# Altium PCB V3(B0317).PcbDoc (part 1 of 2)
Units mil, origin at the board's own origin, x right, y up, seen from the top; angles counter-clockwise.
Board outline 3937.01 x 3937.01 mil, 2 copper layers (Top Layer, Bottom Layer); 151 components, 137 nets, 561 pads, 319 vias.
Unrouted connection lines stored in the file: 1.
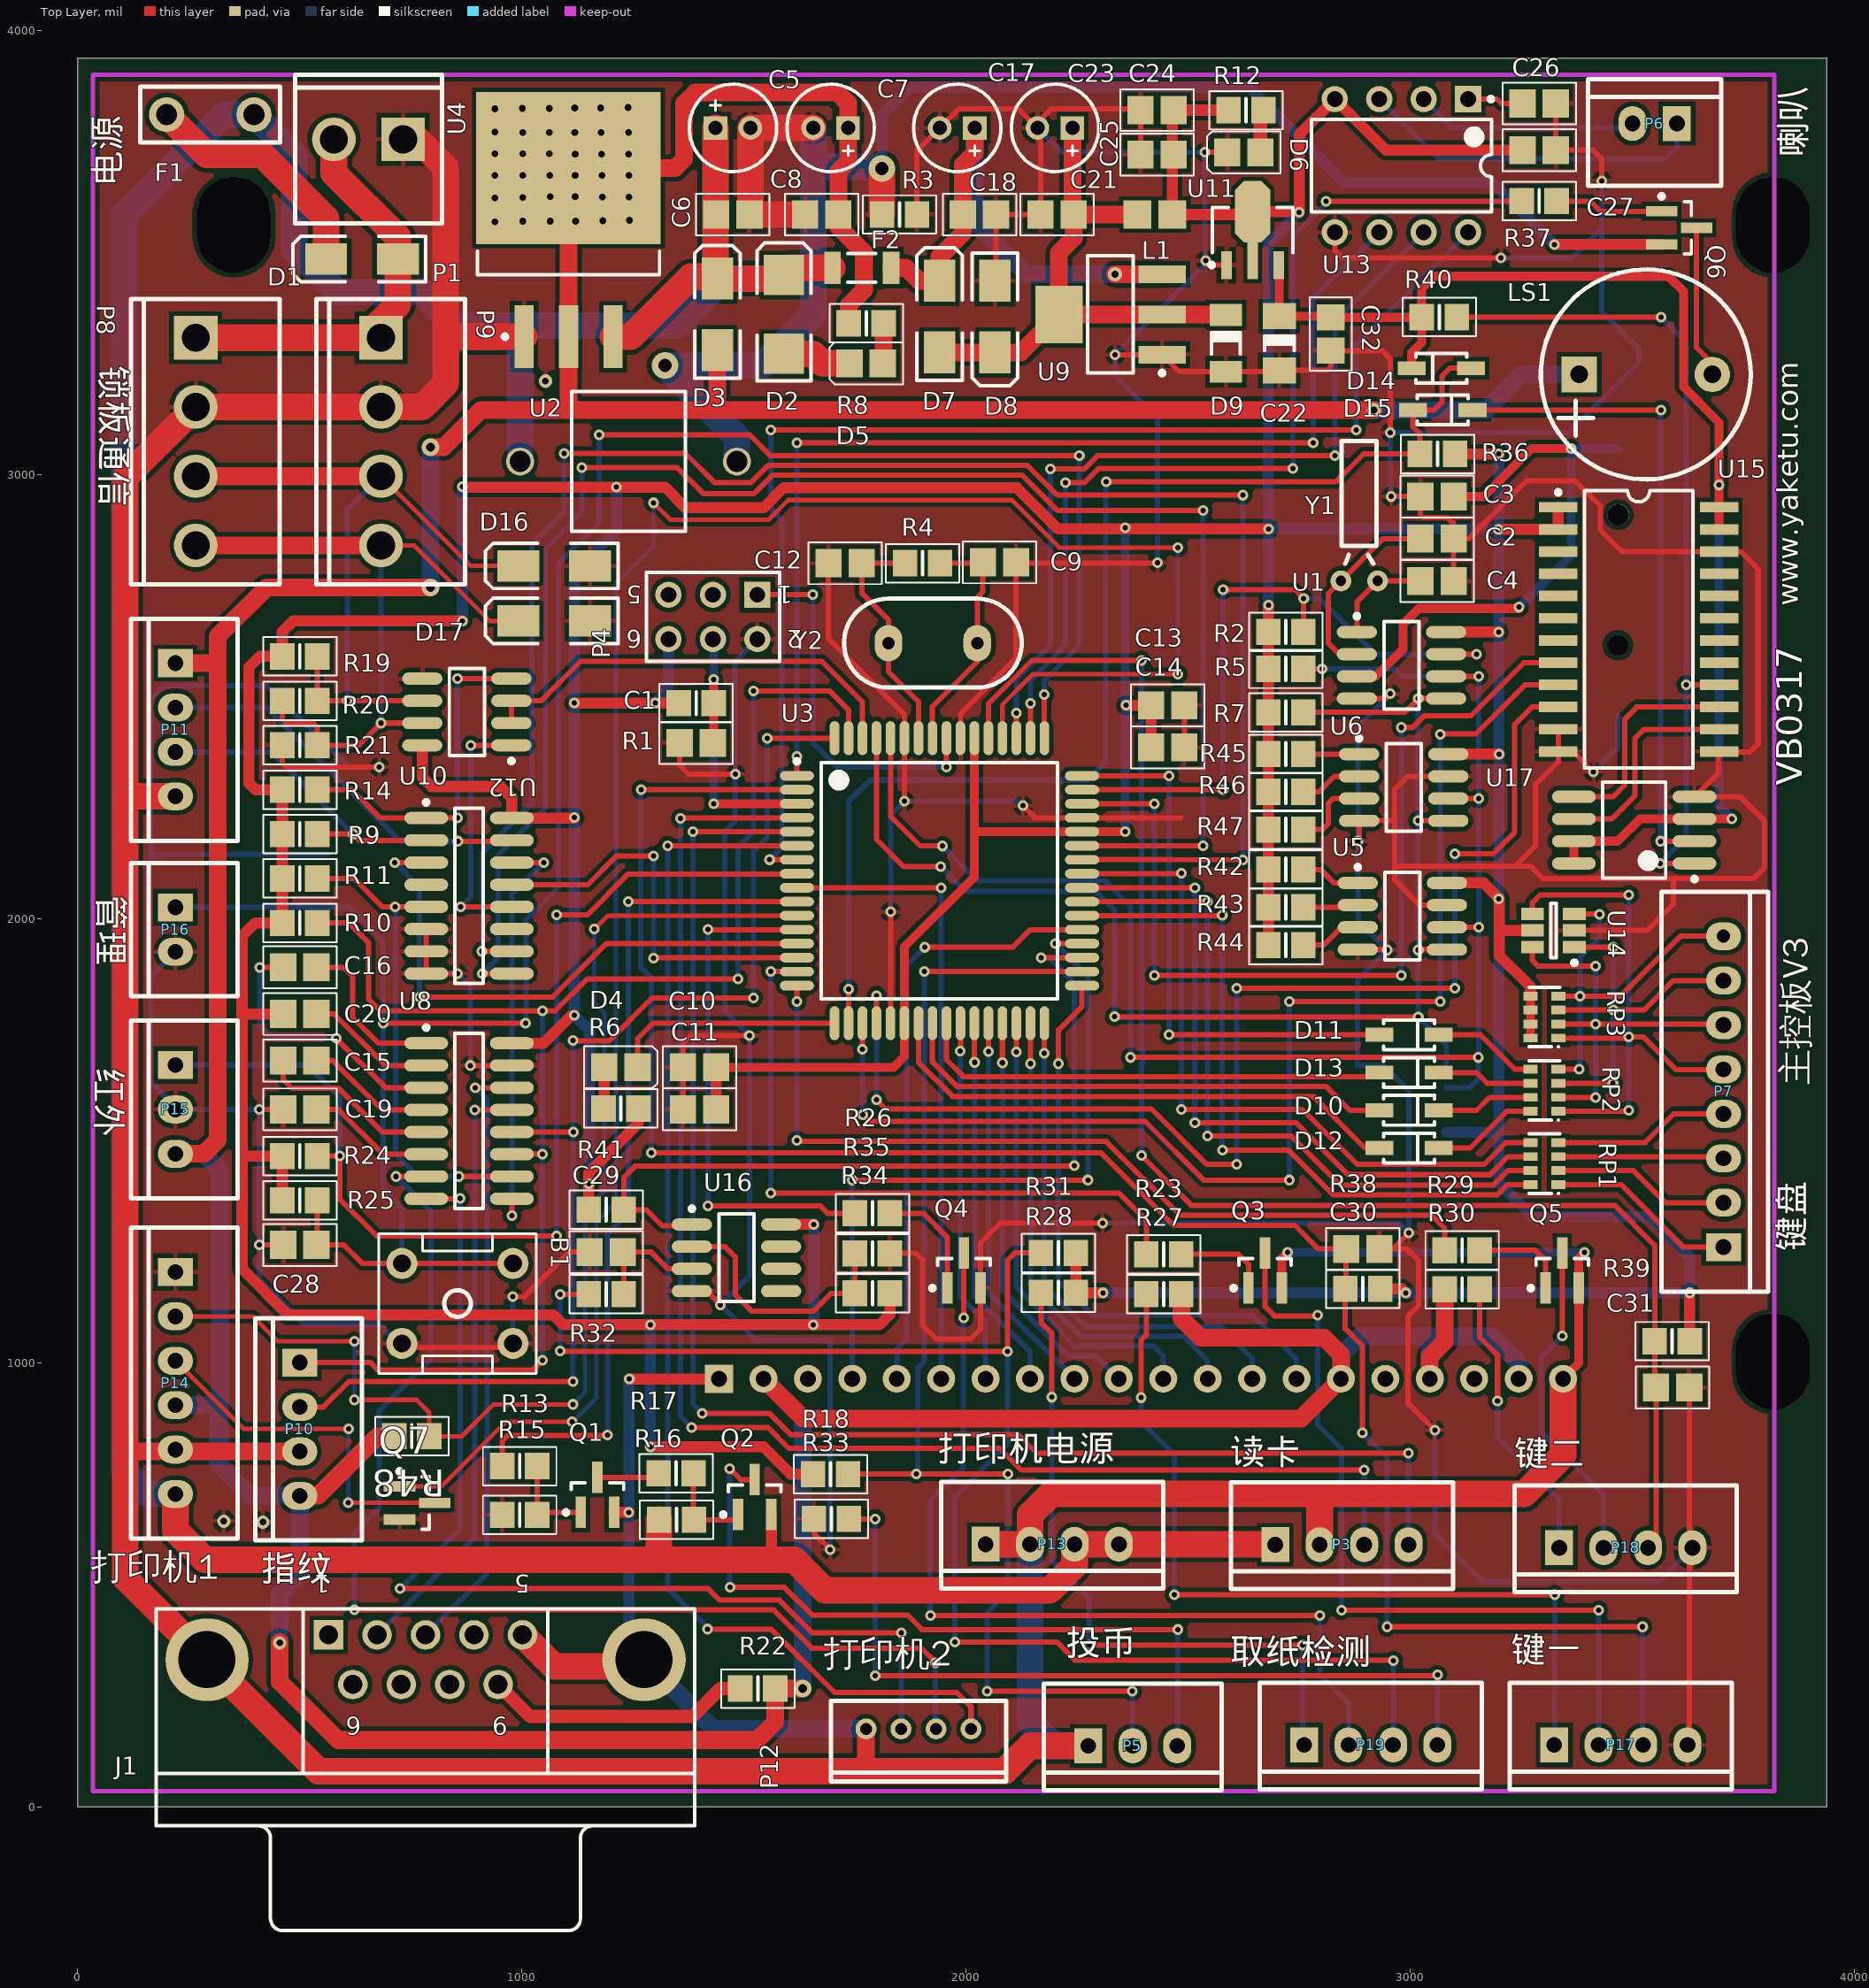
[diagram p0: Top Layer view]
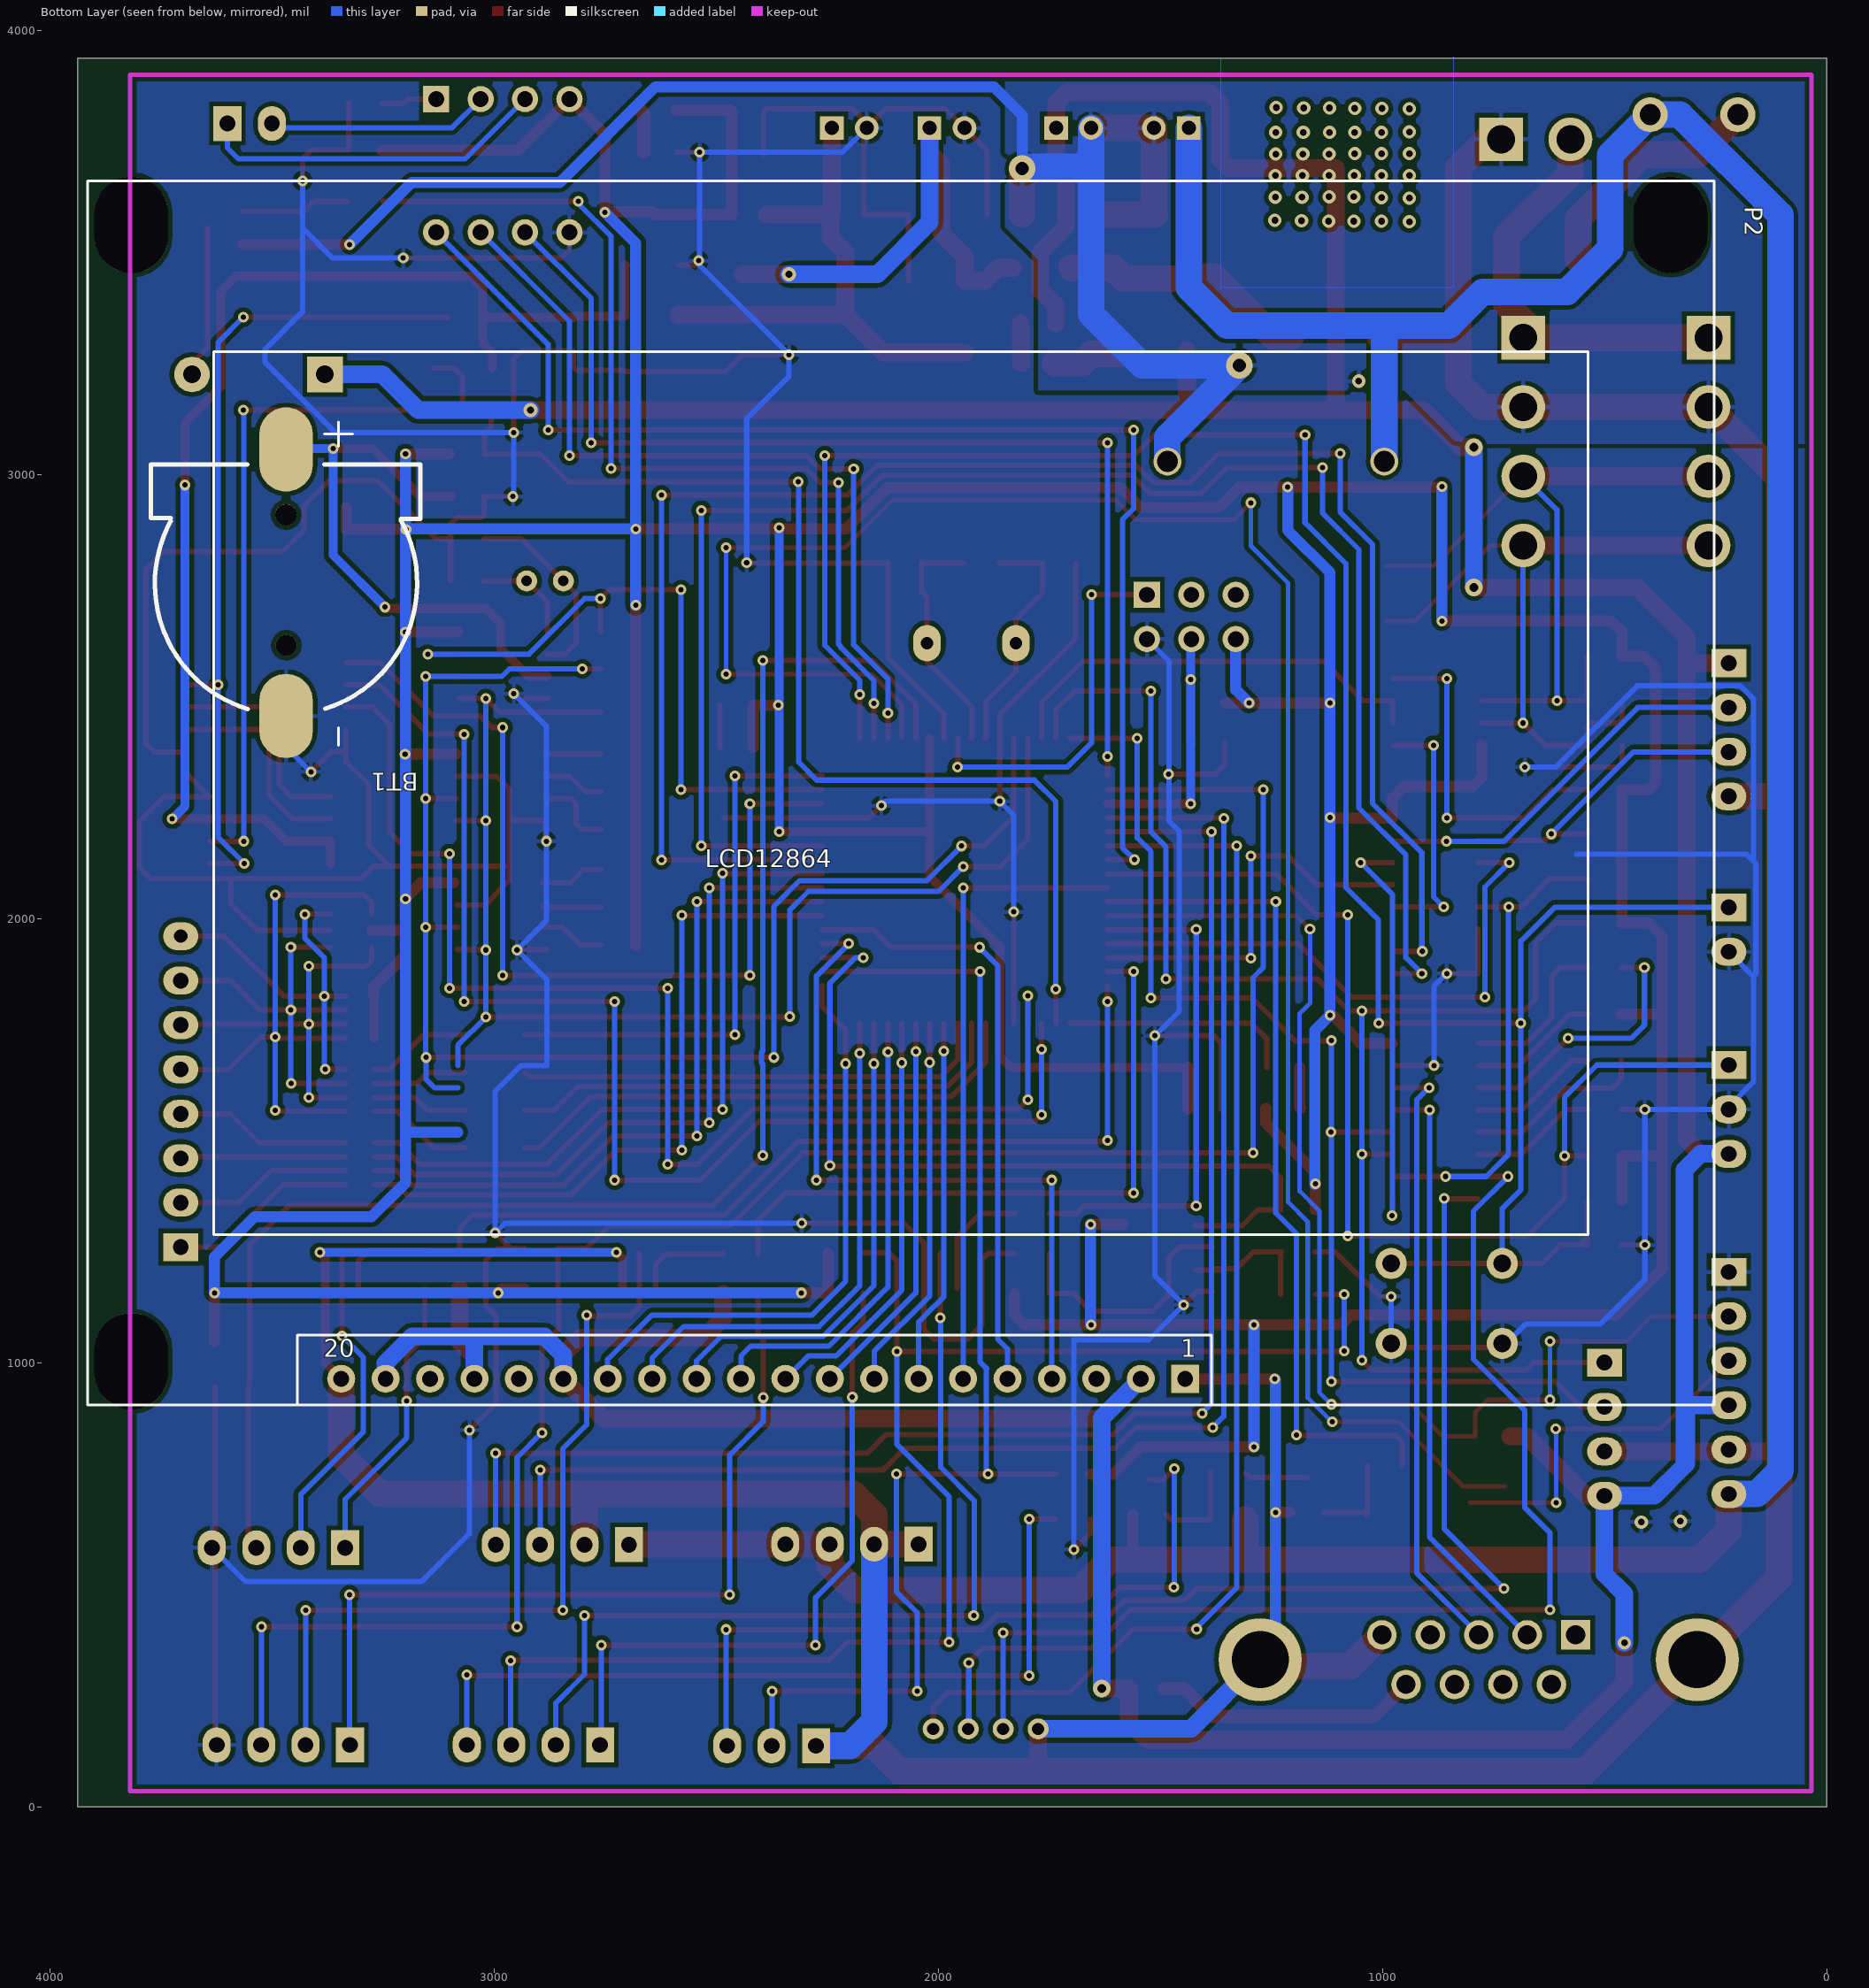
[diagram p1: Bottom Layer view, seen from below]

## Layer stack, top to bottom
Top Solder: solder mask 0.4, Solder Resist, Dk 3.5
Top Layer: signal copper 1.4
Dielectric 1: dielectric 12.6, FR-4, Dk 4.8
Bottom Layer: signal copper 1.4
Bottom Solder: solder mask 0.4, Solder Resist, Dk 3.5

## Board outline
0,0 0,3937.01 3937.01,3937.01 3937.01,0

## Design rules (kind name [scope] priority, off if disabled: settings)
Clearance [All] p1: gap=10
HoleSize [All] p1: absolutevalues=TRUE maxlimit=500 minlimit=1 maxpercent=80.000 minpercent=20.000
PolygonConnect [All] p1: connectstyle=Relief reliefconductorwidth=10 reliefentries=4 polygonreliefangle="90 Angle" airgapwidth=10
RoutingVias [All] p1: holewidth=28 width=50 viastyle="Through Hole" minholewidth=28 minwidth=50 maxholewidth=28 maxwidth=50
SilkToBoardRegionClearance [All] p1 off:
SilkToSilkClearance [All] p1 off: silktosilkclearance=10
SilkToSolderMaskClearance [IsPad] p1 off: minsilkscreentomaskgap=10 clearancetoexposedcopper=TRUE
SolderMaskExpansion [All] p1: expansion=4
Width [All] p1: maxlimit=100 minlimit=10 preferedwidth=10
25 further rules are at their usual default settings.

## Classes and differential pairs
component class V3(B0317): B1 BT1 C1 C3 C4 C5 C6 C7 C8 C9 C10 C11 C12 C17 C18 C19 C20 C21 C22 C23 C24 C25 C27 C28 C29 C30 C31 C32 D1 D2 D3 D4 D5 D6 D8 D9 D10 D11 D12 D13 F1 F2 J1 L1 LS1 P1 P2 P3 P4 P5 P7 P8 P9 P11 P12 P13 P14 P15 P16 P17 P19 Q1 Q2 Q3 Q4 Q7 R1 R2 R3 R5 R6 R7 R8 R9 R10 R11 R12 R14 R16 R17 R20 R21 R22 R23 R24 R25 R26 R27 R28 R29 R30 R31 R32 R33 R34 R35 R36 RP1 RP2 RP3 U1 U2 U4 U6 U8 U9 U10 U11 U14 Y1 Y2

## Components (designator, comment, footprint, x,y, rotation, side; value= is the part's Value field where it differs from the comment)
B1 "管理键" AN66 855,1133 r270 top
BT1 "电池" CR1220 3468,2756 r270 bottom
C1 "0.1uF" CAPC2012M 1392.4,2395 r0 top
C2 "15pF" CAPC2012M 3060,2855 r0 top
C3 "0.1uF" CAPC2012M 3060,2950 r0 top
C4 "15pF" CAPC2012M 3060,2760 r0 top
C5 "Cap Pol2" CAPPR2-5x11.5 1475,3780 r0 top
C6 "0.1uF" CAPC2012M 1475,3585 r180 top
C7 "Cap Pol2" CAPPR2-5x11.5 1695,3780 r180 top
C8 "0.1uF" CAPC2012M 1675,3585 r0 top
C9 "15pF" CAPC2012M 2075,2802 r180 top
C10 "0.1uF" CAPC2012M 1400,1665 r0 top
C11 "10uF" CAPC2012M 1400,1570 r0 top
C12 "15pF" CAPC2012M 1727.6,2800 r0 top
C13 "0.1uF" CAPC2012M 2454,2480 r180 top
C14 "10uF" CAPC2012M 2454,2385 r180 top
C15 "0.1uF" CAPC2012M 500,1680 r0 top
C16 "0.1uF" CAPC2012M 500,1890 r0 top
C17 "Cap Pol2" CAPPR2-5x11.5 1980,3780 r180 top
C18 "0.1uF" CAPC2012M 2030,3585 r180 top
C19 "0.1uF" CAPC2012M 500,1570 r0 top
C20 "0.1uF" CAPC2012M 500,1785 r180 top
C21 "0.1uF" CAPC2012M 2205,3585 r180 top
C22 "Cap Pol1" CAPC3216M 2705,3295 r270 top
C23 "Cap Pol2" CAPPR2-5x11.5 2200,3780 r180 top
C24 "10uF" CAPC2012M 2430,3820 r0 top
C25 "0.1uF" CAPC2012M 2430,3720 r0 top
C26 "0.1uF" CAPC2012M 3290,3835 r0 top
C27 "0.1uF" CAPC2012M 3290,3730 r180 top
C28 "0.1uF" CAPC2012M 500,1265 r0 top
C29 "0.1uF" CAPC2012M 1190,1249 r0 top
C30 "0.1uF" CAPC2012M 2893,1256 r180 top
C31 "0.1uF" CAPC2012M 3590.6,944 r180 top
C32 "0.1uF" CAPC2012M 2821,3316 r90 top
D1 "Diode" DSO-C2/X1.8 640,3485 r180 top
D2 "TVS" SMB 1590,3360 r90 top
D3 "Diode" DSO-C2/X1.8 1440,3360 r90 top
D4 "LED" LED2012M 1223,1665 r0 top
D5 "LED" LED2012M 1775,3250 r180 top
D6 "LED" LED2012M 2625,3725 r180 top
D7 "1N5822" DSO-C2/X1.8 1940,3355 r90 top
D8 "TVS" DSO-C2/X1.8 2065,3355 r270 top
D9 "ZENER" DIO1206 2585,3295 r90 top
D10 "1N4007" SOD123 2997,1568 r0 top
D11 "1N4007" SOD123 2997,1738 r0 top
D12 "1N4007" SOD123 2997,1483 r0 top
D13 "1N4007" SOD123 2997,1653 r0 top
D14 "1N4007" SOD123 3070,3239 r180 top
D15 "1N4007" SOD123 3073,3145 r0 top
D16 "TVS" DSO-C2/X1.8 1073,2794 r180 top
D17 "TVS" DSO-C2/X1.8 1073,2670 r180 top
F1 "Fuse" SR075 200,3810 r0 top
F2 "Fuse" FUSE1206N 1765,3465 r0 top
J1 "D Connector 9" DSUB1.385-2H9 783,-43 r180 top
L1 "Inductor" INDC2012M 2425,3585 r0 top
LS1 "Buzzer" BELL 3530,3225 r180 top
P1 "Header 2" VH396-2 820,3900 r180 top
P2 "液晶屏" LCD12864 3895,865 r180 bottom locked
P3 "Header 4" XH254-4 2696,590 r0 top
P4 "DEBUG" HDR2X3 1530,2729 r180 top
P5 "投币" XH254-3 2275,137 r0 top
P6 "Header 2" XH254-2 3600,3790 r180 top
P7 "键盘" XH254-8 3705,1260 r90 top
P8 "Header 4" VH396-4 120,3395 r270 top
P9 "Header 4" VH396-4 537,3395 r270 top
P10 "Header 4" XH254-4 500,1000 r270 top
P11 "Header 4" XH254-4 220,2575 r270 top
P12 "打印信号" "PH-A4 2.0" 2011,175 r180 top
P13 "打印电源" XH254-4 2044,591 r0 top
P14 "Header 6" XH254-6 220,1204 r270 top
P15 "1838T" XH254-3 220,1670 r270 top
P16 "Header 2" XH254-2 220,2025 r270 top
P17 "Header 4" XH254-4 3324,139 r0 top
P18 "Header 4" XH254-4 3335,583 r0 top
P19 "Header 4" XH254-4 2761,139 r0 top
Q1 "8050" SOT23-3M 1170,702 r90 top
Q2 "SI2301" SOT23-3M 1524,697 r90 top
Q3 "8050" SOT23-3M 2673,1207 r90 top
Q4 "8050" SOT23-3M 1995,1207 r90 top
Q5 "8050" SOT23-3M 3342,1207 r90 top
Q6 "8050" SOT23-3M 3605,3555 r0 top
Q7 "NPN" SOT23-3M 764,684 r0 top
R1 "10K" RESC2012M 1392.4,2485 r180 top
R2 "10K" RESC2012M 2720,2645 r180 top
R3 "0" RESC2012M 1850,3585 r0 top
R4 "1M" RESC2012M 1902,2800 r180 top
R5 "10K" RESC2012M 2720,2562 r180 top
R6 "1K" RESC2012M 1223,1572 r0 top
R7 "10K" RESC2012M 2720,2464 r180 top
R8 "1K" RESC2012M 1775,3340 r180 top
R9 "10K" RESC2012M 500,2190 r180 top
R10 "10K" RESC2012M 500,1990 r180 top
R11 "10K" RESC2012M 500,2090 r180 top
R12 "1K" RESC2012M 2630,3820 r180 top
R13 "470" RESC2012M 995,767 r0 top
R14 "10K" RESC2012M 500,2290 r180 top
R15 "1K" RESC2012M 995,657 r0 top
R16 "10K" RESC2012M 1348,646 r180 top
R17 "10K" RESC2012M 1347,751 r0 top
R18 "10K" RESC2012M 1695,749 r180 top
R19 "620" RESC2012M 500,2590 r180 top
R20 "120" RESC2012M 500,2490 r0 top
R21 "620" RESC2012M 500,2390 r0 top
R22 "0" RESC2012M 1531,266 r0 top
R23 "470" RESC2012M 2445,1244 r0 top
R24 "10K" RESC2012M 500,1465 r180 top
R25 "10K" RESC2012M 500,1365 r180 top
R26 "470" RESC2012M 1789,1336 r0 top
R27 "100" RESC2012M 2445,1154 r0 top
R28 "500" RESC2012M 2208,1157 r0 top
R29 "470" RESC2012M 3116.63,1253 r0 top
R30 "100" RESC2012M 3116.63,1165 r180 top
R31 "100K" RESC2012M 2208,1247 r0 top
R32 "1K" RESC2012M 1190,1154 r0 top
R33 "0" RESC2012M 1697,648 r180 top
R34 "10K" RESC2012M 1789,1156 r0 top
R35 "10K" RESC2012M 1789,1246 r180 top
R36 "1K" RESC2012M 3061,3046 r180 top
R37 "100" RESC2012M 3290,3615 r0 top
R38 "10K" RESC2012M 2893,1166 r0 top
R39 "10K" RESC2012M 3589.6,1048 r0 top
R40 "10K" RESC2012M 3065,3354 r180 top
R41 "10K" RESC2012M 1190,1344 r180 top
R42 "10K" RESC2012M 2720,2110 r0 top
R43 "10K" RESC2012M 2720,2025 r0 top
R44 "10K" RESC2012M 2720,1940 r0 top
R45 "10K" RESC2012M 2720,2370 r0 top
R46 "10K" RESC2012M 2720,2285 r0 top
R47 "10K" RESC2012M 2720,2200 r0 top
R48 "1K" RESC2012M 752,834 r180 top
RP1 "1K" EXB38V 3302,1448 r90 top
RP2 "10K" EXB38V 3302,1613 r90 top
RP3 "10K" EXB38V 3302,1778 r90 top
U1 "SD2068" SO8_M 2980,2570 r0 top
U2 "放电管" "放电管 - duplicate" 1043,3029 r0 top
U3 "MC9S08AC60" QFP80P1720X1720-64N 1940,2085 r0 top
U4 "LM1085IS-5.0" TS3B_M 1105,3550 r90 top
U5 "24CXX" SO8_M 2982,2005 r0 top
U6 "24CXX" SO8_M 2985,2295 r0 top
U8 "MAX232AESE" SO16_M 881,1544 r0 top
U9 "LM1117S-5.0" SOT223-4M 2325,3360 r180 top
U10 "CD4052BCM" SO16_M 881,2051 r0 top
U11 "HT7335" SOT89M 2645,3550 r90 top
U12 "MAX485ESA" SO8_M 876,2465 r180 top
U13 "NY3P065B" DIP-8 2980,3695 r270 top
U14 "RSV05-4" SOT26A-6M 3322,1973 r180 top
U15 "74HC4245" SO24W 3514,2651 r270 top
U16 "LM393D" SO8_M 1483,1236 r0 top
U17 "W25X16" SOP127P780-8M 3504,2199 r180 top
Y1 "XTAL" XTAL-W2/D2.1 2885,2760 r90 top
Y2 "XTAL" HC49_TH 1925,2620 r180 top

## Footprints (in the part's own frame and the unit in brackets; to place one, negate y for a bottom-side part, rotate by r counter-clockwise, add the part's x,y. Pads: shape width x height; smd on the part's side, far side on the other; paste and mask are expansions set on the pad)
AN66 [mil]
  round 70 hole 40: 1(-90,125) 2(90,125) 3(-90,-125) 4(90,-125)
  silkscreen extent -157,-177 157,177
BELL [mil]
  rect 80x80 hole 40: 1(149.61,0)
  round 80 hole 40: 2(-149.61,0)
  silkscreen extent -236,-236 236,236
CAPC2012M [mm] "Chip Capacitor, Body 2.0x1.3mm, IPC Low Density"
  rect 1.5x1.6 smd: 1(-0.95,0) 2(0.95,0)
  silkscreen extent -2.1,-1.2 2.1,1.2, body extent -1.1,-0.72 1.1,0.72, height 1.1
CAPC3216M [mm] "Chip Capacitor, Body 3.2x1.6mm, IPC Low Density"
  rect 1.5x1.9 smd: 1(-1.55,0) 2(1.55,0)
  silkscreen extent -0.4,-0.85 0.4,0.85, body extent -1.7,-0.9 1.7,0.9, height 1.35
CAPPR2-5x11.5 [mm] "Capacitor, Electrolytic, Radial; Body 5 x 11.5 mm (Dia.xH typ); Pin Spacing 2 mm (typ)"
  rect 1.35x1.35 hole 0.8: 1(-1,0)
  round 1.35 hole 0.8: 2(1,0)
  silkscreen extent -2.5,-2.5 2.5,2.5
CR1220 [mil]
  oval 190x120 smd: 1(-300,0) 2(300,0)
  round 48 hole 48 unplated: ""(-153,0) ""(141,0.76)
  silkscreen extent -362,-304 366,302
DIO1206 [mm] "MELF Diode, 2-Leads, Body 3.50x1.65mm, IPC Medium Density"
  rect 1.25x1.85 smd: 1(-1.625,0) 2(1.625,0)
  silkscreen extent -0.6,-0.83 0.6,0.82, body extent -1.85,-0.85 1.85,0.85, height 1.69
DIP-8 [mm] "DIP; 8 Leads; Row Spacing 7.62 mm; Pitch 2.54 mm"
  rect 1.5x1.5 hole 0.9: 1(-3.81,3.81)
  round 1.5 hole 0.9: 2(-3.81,1.27) 3(-3.81,-1.27) 4(-3.81,-3.81) 5(3.81,-3.81) 6(3.81,-1.27) 7(3.81,1.27) 8(3.81,3.81)
  silkscreen extent -3.93,-5.15 2.65,5.24, body extent -3.6,-5.15 3.6,5.15, height 5.08
DSO-C2/X1.8 [mm] "DO-214-AC/SMA; 2 C-Bend Leads; Body 5 x 2.7 mm, inc. leads (LxW)"
  rect 2.4x1.8 smd: 1(-2.05,0) 2(2.05,0)
  silkscreen extent -3.65,-1.3 3.95,1.3
DSUB1.385-2H9 [mm] "Connector; D Subminiature; 9 Position; Right Angle; Pitch 1.385 mm"
  rect 1.69x1.69 hole 1.09: 1(5.54,-10.92)
  round 1.69 hole 1.09: 2(2.77,-10.92) 3(0,-10.92) 4(-2.77,-10.92) 5(-5.54,-10.92) 6(4.155,-8.08) 7(1.385,-8.08) 8(-1.385,-8.08) 9(-4.155,-8.08)
  round 4.76 hole 3.26: 10(-12.495,-9.5) 11(12.495,-9.5)
  silkscreen extent -15.4,-12.4 15.4,6
EXB38V [mm] "Chip Resistor Array, (0603x4); SM; 8 Leads; Body 3.40 x 1.75 mm (LxW max)"
  rect 0.5x0.8 smd: 1(-1.2,-0.8) 2(-0.4,-0.8) 3(0.4,-0.8) 4(1.2,-0.8) 5(1.2,0.8) 6(0.4,0.8) 7(-0.4,0.8) 8(-1.2,0.8)
  silkscreen extent -1.75,-0.87 1.7,0.87
FUSE1206N [mm] "Chip Capacitor, 2-Leads, Body 3.25x1.65mm, IPC Medium Density"
  rect 0.95x1.85 smd: 1(-1.675,0) 2(1.675,0)
  silkscreen extent -0.8,-0.82 0.8,0.82, body extent -1.75,-0.9 1.75,0.9, height 0.85
HC49_TH [mil]
  oval 62x82 hole 28: 1(-100,0) 2(100,0)
  silkscreen extent -200,-100 200,100
HDR2X3 [mm] "Connector; Header; 3x2 Position"
  rect 1.5x1.5 hole 0.9: 1(0,0)
  round 1.5 hole 0.9: 2(0,2.54) 3(2.54,0) 4(2.54,2.54) 5(5.08,0) 6(5.08,2.54)
  silkscreen extent -1.27,-1.27 6.35,3.81
INDC2012M [mm] "Chip Inductor, Body 2.0x1.2mm, IPC Low Density"
  rect 1.6x1.6 smd: 1(-1,0) 2(1,0)
  body extent -1.1,-0.7 1.1,0.7, height 1.1
LCD12864 [mm]
  oval 4.2x5.5 hole 4.2 slot 5.5 at 90 deg: 0(2,3.5) 0(2,68.5) 0(90,68.5)
  rect 1.6x1.6 hole 0.9: 1(62.26,2.5)
  round 1.6 hole 0.9: 2(59.72,2.5) 3(57.18,2.5) 4(54.64,2.5) 5(52.1,2.5) 6(49.56,2.5) 7(47.02,2.5) 8(44.48,2.5) 9(41.94,2.5) 10(39.4,2.5) 11(36.86,2.5) 12(34.32,2.5) 13(31.78,2.5) 14(29.24,2.5) 15(26.7,2.5) 16(24.16,2.5) 17(21.62,2.5) 18(19.08,2.5) 19(16.54,2.5) 20(14,2.5)
  silkscreen extent -0.5,1 92.5,71
LED2012M [mm] "Chip LED, Body 2.0x1.3mm, IPC Low Density"
  rect 1.5x1.6 smd: 1(-0.95,0) 2(0.95,0)
  silkscreen extent -2.1,-1.2 2.1,1.2, body extent -1.1,-0.72 1.1,0.72, height 1.1
"PH-A4 2.0" [mm]
  round 1.2 hole 0.7: 1(0,0) 2(2,0) 3(4,0) 4(6,0)
  silkscreen extent -2,-1.6 8,3
QFP80P1720X1720-64N [mm] "QFP, 64-Leads, Body 14x14mm, Pitch 0.8mm, IPC Medium Density"
  oval 1.95x0.55 smd: 1(-8.15,6) 2(-8.15,5.2) 3(-8.15,4.4) 4(-8.15,3.6) 5(-8.15,2.8) 6(-8.15,2) 7(-8.15,1.2) 8(-8.15,0.4) 9(-8.15,-0.4) 10(-8.15,-1.2) 11(-8.15,-2) 12(-8.15,-2.8) 13(-8.15,-3.6) 14(-8.15,-4.4) 15(-8.15,-5.2) 16(-8.15,-6) 33(8.15,-6) 34(8.15,-5.2) 35(8.15,-4.4) 36(8.15,-3.6) 37(8.15,-2.8) 38(8.15,-2) 39(8.15,-1.2) 40(8.15,-0.4) 41(8.15,0.4) 42(8.15,1.2) 43(8.15,2) 44(8.15,2.8) 45(8.15,3.6) 46(8.15,4.4) 47(8.15,5.2) 48(8.15,6)
  oval 0.55x1.95 smd: 17(-6,-8.15) 18(-5.2,-8.15) 19(-4.4,-8.15) 20(-3.6,-8.15) 21(-2.8,-8.15) 22(-2,-8.15) 23(-1.2,-8.15) 24(-0.4,-8.15) 25(0.4,-8.15) 26(1.2,-8.15) 27(2,-8.15) 28(2.8,-8.15) 29(3.6,-8.15) 30(4.4,-8.15) 31(5.2,-8.15) 32(6,-8.15) 49(6,8.15) 50(5.2,8.15) 51(4.4,8.15) 52(3.6,8.15) 53(2.8,8.15) 54(2,8.15) 55(1.2,8.15) 56(0.4,8.15) 57(-0.4,8.15) 58(-1.2,8.15) 59(-2,8.15) 60(-2.8,8.15) 61(-3.6,8.15) 62(-4.4,8.15) 63(-5.2,8.15) 64(-6,8.15)
  silkscreen extent -8.27,-6.75 6.75,6.95, body extent -7,-7 7,7, height 2.45
RESC2012M [mm] "Chip Resistor, Body 2.0x1.3mm, IPC Low Density"
  rect 1.4x1.5 smd: 1(-1,0) 2(1,0)
  silkscreen extent -2.1,-1.1 2.1,1.1, body extent -1.07,-0.7 1.07,0.7, height 0.65
SMB [mm] "DO-214-AA/SMB; 2 C-Bend Leads; Body 5.3 x 3.6 mm, inc. leads (LxW)"
  rect 2.3x2.3 smd: 1(-2.25,0) 2(2.25,0)
  silkscreen extent -3.8,-1.55 4.1,1.55
SO8_M [mm] "SOIC, 8-Leads, Body 4.9x3.9mm, Pitch 1.27mm, IPC Low Density"
  oval 2.3x0.7 smd: 1(-2.55,1.905) 2(-2.55,0.635) 3(-2.55,-0.635) 4(-2.55,-1.905) 5(2.55,-1.905) 6(2.55,-0.635) 7(2.55,0.635) 8(2.55,1.905)
  silkscreen extent -2.67,-2.5 1,2.93, body extent -2,-2.5 2,2.5, height 1.75
SO16_M [mm] "SOIC, 16-Leads, Body 9.9x3.9mm, Pitch 1.27mm, IPC Low Density"
  oval 2.5x0.7 smd: 1(-2.45,4.445) 2(-2.45,3.175) 3(-2.45,1.905) 4(-2.45,0.635) 5(-2.45,-0.635) 6(-2.45,-1.905) 7(-2.45,-3.175) 8(-2.45,-4.445) 9(2.45,-4.445) 10(2.45,-3.175) 11(2.45,-1.905) 12(2.45,-0.635) 13(2.45,0.635) 14(2.45,1.905) 15(2.45,3.175) 16(2.45,4.445)
  silkscreen extent -2.57,-5 0.8,5.47, body extent -2,-5 2,5, height 1.75
SO24W [mm] "Small Outline; 24 Leads; Body Width 7.5 mm; Pitch 1.27 mm"
  rect 0.6x2.2 smd: 1(-6.985,-4.6) 2(-5.715,-4.6) 3(-4.445,-4.6) 4(-3.175,-4.6) 5(-1.905,-4.6) 6(-0.635,-4.6) 7(0.635,-4.6) 8(1.905,-4.6) 9(3.175,-4.6) 10(4.445,-4.6) 11(5.715,-4.6) 12(6.985,-4.6) 13(6.985,4.6) 14(5.715,4.6) 15(4.445,4.6) 16(3.175,4.6) 17(1.905,4.6) 18(0.635,4.6) 19(-0.635,4.6) 20(-1.905,4.6) 21(-3.175,4.6) 22(-4.445,4.6) 23(-5.715,4.6) 24(-6.985,4.6)
  silkscreen extent -7.96,-4.72 7.93,3.1
SOD123 [mm] "SOD-123; 2 Leads; Body 2.7 x 1.6 mm, (LxW)"
  rect 1.6x0.8 smd: 1(-1.7,0) 2(1.7,0)
  silkscreen extent -1.45,-0.85 1.45,0.85
SOP127P780-8M [mm] "SOP, 8-Leads, Body 5.3x5.3mm, Pitch 1.27mm, IPC Low Density"
  oval 2.5x0.7 smd: 1(-3.45,1.905) 2(-3.45,0.635) 3(-3.45,-0.635) 4(-3.45,-1.905) 5(3.45,-1.905) 6(3.45,-0.635) 7(3.45,0.635) 8(3.45,1.905)
  silkscreen extent -3.57,-2.75 1.8,2.93, body extent -2.73,-2.75 2.73,2.75, height 2.03
SOT23-3M [mm] "SOT23, 3-Leads, Body 2.9x1.3mm, Pitch 0.95mm, Lead Span 2.5mm, IPC Low Density"
  rect 1.8x0.6 smd: 1(-1,0.95) 2(-1,-0.95) 3(1,0)
  silkscreen extent -1.12,-1.5 0.7,1.92, body extent -0.7,-1.5 0.7,1.5, height 1.1
SOT26A-6M [mm]
  rect 1.3x0.7 smd: 1(-1.2,0.95) 2(-1.2,0) 3(-1.2,-0.95) 4(1.2,-0.95) 5(1.2,0) 6(1.2,0.95)
  silkscreen extent -1.33,-1.55 0.15,1.97, body extent -0.9,-1.55 0.9,1.55
SOT89M [mm] "SOT, 3-Leads, Body 4.6 x 2.6 mm, Pitch 1.5mm, IPC Low Density"
  oct 3.5x2 smd: 0(1.05,0)
  rect 1.6x0.6 smd: 1(-2,1.5) 3(-2,-1.5)
  rect 2.1x0.6 smd: 2(-1.75,0)
  silkscreen extent -2.12,-2.3 1.3,2.47, body extent -1.3,-2.3 1.3,2.3, height 1.8
SOT223-4M [mm] "SOT223/SC73, 4-Leads, Body 6.5x3.5mm, Pitch 2.3mm, Lead Span 7mm, IPC Low Density"
  rect 2.7x1 smd: 1(-2.95,2.3) 2(-2.95,0) 3(-2.95,-2.3)
  rect 2.7x3.3 smd: 4(2.95,0)
  silkscreen extent -3.08,-3.35 1.3,3.47, body extent -1.85,-3.35 1.85,3.35, height 1.8
SR075 [mm]
  round 2 hole 1.2: 1(0,0) 2(5,0)
  silkscreen extent -1.5,-1.6 6.5,1.6
TS3B_M [mm] "D2-PAK, 4-Leads, Body 8.6x10.2mm, Pitch 2.54mm, Lead Span 14.2mm, IPC Low Density"
  rect 3.6x1.1 smd: 1(-6.1,2.54) 2(-6.1,0) 3(-6.1,-2.54)
  rect 8.7x10.55 smd: 4(3.55,0)
  silkscreen extent -6.22,-5.2 -1.2,5.2, body extent -2.55,-5.2 6.34,5.2, height 4.64
VH396-2 [mm]
  rect 2.5x2.5 hole 1.6: 1(2.22,3.7)
  round 2.5 hole 1.6: 2(6.18,3.7)
  silkscreen extent 0,0 8.4,8.5
VH396-4 [mm]
  rect 2.5x2.5 hole 1.6: 1(2.22,3.7)
  round 2.5 hole 1.6: 2(6.18,3.7) 3(10.14,3.7) 4(14.1,3.7)
  silkscreen extent 0,0 16.32,8.5
XH254-2 [mm]
  rect 1.6x2 hole 0.9: 1(0,0)
  oval 1.6x2 hole 0.9: 2(2.54,0)
  silkscreen extent -2.54,-2.54 5.08,3.56
XH254-3 [mm]
  rect 1.6x2 hole 0.9: 1(0,0)
  oval 1.6x2 hole 0.9: 2(2.54,0) 3(5.08,0)
  silkscreen extent -2.54,-2.54 7.62,3.56
XH254-4 [mm]
  rect 1.6x2 hole 0.9: 1(0,0)
  oval 1.6x2 hole 0.9: 2(2.54,0) 3(5.08,0) 4(7.62,0)
  silkscreen extent -2.54,-2.54 10.16,3.56
XH254-6 [mm]
  rect 1.6x2 hole 0.9: 1(0,0)
  oval 1.6x2 hole 0.9: 2(2.54,0) 3(5.08,0) 4(7.62,0) 5(10.16,0) 6(12.7,0)
  silkscreen extent -2.54,-2.54 15.24,3.56
XH254-8 [mm]
  rect 1.6x2 hole 0.9: 1(0,0)
  oval 1.6x2 hole 0.9: 2(2.54,0) 3(5.08,0) 4(7.62,0) 5(10.16,0) 6(12.7,0) 7(15.24,0)
  oval 1.6x2 hole 0.76: 8(17.78,0)
  silkscreen extent -2.54,-2.54 20.32,3.56
XTAL-W2/D2.1 [mm] "Crystal, Thru-Hole; 2 Leads; Body 2.1 x 6.2 mm (Dia.xH)"
  round 1.2 hole 0.6: 1(0,1.05) 2(0,-1.05)
  silkscreen extent 1,-0.98 8,1.02
"放电管 - duplicate" [mm]
  round 1.6 hole 1.2: 1(-1.2,0) 2(11.2,0)
  silkscreen extent 1.75,-4 8.25,4

## Part data
B1: library part Button, "Button"
BT1: library part Battery, "Multicell Battery"
C1 C2 C3 C4 C6 C8 C9 C10 C11 C12 C13 C14 C15 C16 C18 C19 C20 C21 C24 C25 C26 C27 C28 C29 C30 C31 C32: library part Cap, "Capacitor"
C5 C7 C17 C23: "Polarized Capacitor (22uf-47uf)"
C22: "Polarized Capacitor (10uf)"
D1 D3: "Default Diode"
D2 D8 D16 D17: "TVS瞬态抑制二极管"
D4 D5 D6: "Typical INFRARED GaAs LED"
D7 D10 D11 D12 D13 D14 D15: library part Diode, "Default Diode"
D9: library part TVS, "TVS瞬态抑制二极管"
J1: "Receptacle Assembly, 9 Position, Right Angle"
LS1: "Magnetic Transducer Buzzer"
P1 P6 P16: "Header, 2-Pin"
P2: library part "Header 20", "Header, 20-Pin"
P3 P8 P9 P10 P11 P17 P18 P19: "Header, 4-Pin"
P4: library part "Header 3X2", "Header, 3-Pin, Dual row"
P5: library part "Header 3", "Header, 3-Pin"
P7: library part "Header 8", "Header, 8-Pin"
P12 P13: library part "Header 4", "Header, 4-Pin"
P14: "Header, 6-Pin"
Q1 Q3 Q4 Q5 Q6: library part NPN, "NPN Bipolar Transistor"
Q2 Q7: "NPN Bipolar Transistor"
R1 R2 R3 R4 R5 R6 R7 R8 R9 R10 R11 R12 R13 R14 R15 R16 R17 R18 R19 R20 R21 R22 R23 R24 R25 R26 R27 R28 R29 R30 R31 R32 R33 R34 R35 R36 R37 R38 R39 R40 R41 R42 R43 R44 R45 R46 R47 R48: library part Res, "Resistor"
RP1 RP2 RP3: library part "Res Pack"
U1: "实时时钟"
U3: "HCS08 MC9S08AC60"
U4: "3A Low Dropout Positive Regulators, 3-pin TO-263"
U5 U6: "5V, I2C Serial EEPROM"
U8: "+5V-Powered, Multichannel RS-232 Driver/Receiver"
U9: "800mA Low-Dropout Linear Regulator"
U10: "Dual 4-Channel Analog Multiplexer/Demultiplexer"
U12: "Low-Power, Slew-Rate-Limited RS-485/RS-422 Transceiver"
U14: "USB OR  Ethernet ESD"
U15: "Octal Bus Transceiver and 3.3-V to 5-V Shifter with 3-State Outputs"
U16: "Low-Power Dual Voltage Comparator"
Y1 Y2: "Crystal Oscillator"

## Via types
v1: diameter 24, hole 12, Top Layer to Bottom Layer, 272 vias
v2: diameter 30, hole 15, Top Layer to Bottom Layer, 40 vias
v3: diameter 40, hole 20, Top Layer to Bottom Layer, 3 vias
v4: diameter 32, hole 16, Top Layer to Bottom Layer, 2 vias
v5: diameter 60, hole 30, Top Layer to Bottom Layer, 2 vias

## Nets (pads, with @x,y where several pads share a name; then routed paths per layer and width w, separated by ;. In a path a pad name is that pad's centre, name@x,y a point inside that pad or via, vN(x,y) a via of type N, cw(c..) or ccw(c..) an arc to the next point about the centre after c; other vN are vias at no path point)
4052_A: U3.42 U10.10 | length 4047.5
  Top Layer w12: v1(910,1926) U10.10@977.46,1926 ; v1(1095,3047) 1368,3047 1434,2981 1515,2981 1554,3020 2138,3020 2205,2953 v1(2623,2953) ; U3.42@2260.87,2132.24 2463.76,2132.24 v1(2623,2132)
  Bottom Layer w12: v1(910,1926) 911,1927 911,2148 1022,2259 1022,2842 1095,2915 v1(1095,3047) ; v1(2623,2132) v1(2623,2953)
4052_B: U3.43 U10.9 | length 3798.2
  Top Layer w12: v1(911,1876) U10.9@977.46,1876 ; v1(1135,3015) 1350,3015 1409,2956 1522,2956 1564,2998 2126.31,2998 2205.31,2919 v1(2533,2919) ; U3.43@2260.87,2163.74 v1(2533,2163.74)
  Bottom Layer w12: v1(911,1876) 947,1912 947,2143 1053,2249 1053,2831 1135,2913 v1(1135,3015) ; v1(2533,2163.74) v1(2533,2919)
+3.3V: C22.1 C32.2 D14.2 R40.2 U11.3 U15.23 U15.24 U17.3 U17.7 U17.8 | length 2998.5
  Top Layer w20: U11.3@2704.06,3471.26 2705,3470.31 C22.1@2705,3356.02 2818.38,3356.02 C32.2@2821,3353.4 R40.2@3025.03,3353.4 ; D14.2@3003.07,3239 3003.07,3274.07 3025.63,3296.63 R40.2@3025.63,3354 3025.63,3417.63 3054,3446 3581,3446 3615,3412 3615,3197 3695.1,3116.9 v1(3695.1,2975.9) U15.24@3695.1,2926 U15.23@3695.1,2876 ; U17.8@3368.17,2124 U17.7@3368.17,2174 3467,2174 3517,2224 U17.3@3639.83,2224 v1@3723,2224
  Bottom Layer w20: v1(3695.1,2975.9) 3695.1,2252.9 v1(3724,2224)
+5.0V: C7.1 C8.2 D3.1 LS1.1 P2.2 P2.15 P2.17 P2.19 P10.4 P11.1 P14.4 P15.3 R8.2 R22.2 R27.2 R30.2 R48.2 U4.2 U4.4 | length 13548.9
  Top Layer w40: P15.3@220,1470 284,1470 315,1501 315,2575 ; P11.1@220,2575 315,2575 ; v2@455,371 455,281 586,150 1530,150 1570.37,190.37 R22.2@1570.37,266 v3(1632,266) ; P10.4@495,700 P10.4@500,705 ; P10.4@500,700 541,700 675,834 R48.2@712.63,834 ; v3(794,2745) 425,2745 315,2635 315,2575 ; v3(794,3061) 824,3061 908,3145 1105,3145 ; D3.1@1440,3279.29 1440,3145 ; P2.2@1543.82,963.43 1633.24,874 2754.39,874 P2.15@2843.82,963.43 2843.82,1018.18 2806,1056 2528,1056 2484.37,1099.63 R27.2@2484.37,1154 ; R8.2@1735.63,3340 1735.63,3380.63 1770,3415 1770,3500 1712.4,3557.6 C8.2@1712.4,3585 1712.4,3682.4 1734.37,3704.37 C7.1@1734.37,3780 1734.37,3835.63 1710,3860 1390,3860 1365,3835 1365,3710 1344.76,3689.76 U4.4@1105,3689.76 U4.2@1105,3309.84 1105,3145 ; v4(2918,3145) 1440,3145 ; P2.17@3043.82,963.43 3043.82,1013.82 3077.26,1047.26 R30.2@3077.26,1165 ; 1105,3145 1440,3145
  Bottom Layer w40: P14.4@220,904 316,904 316,772 320,768 ; P15.3@220,1470 284,1470 320,1434 320,768 ; v2(455,369) 455,479 500,524 P10.4@500,700 388,700 320,768 ; v3(794,2745) v3(794,3061) ; P2.2@1543.82,963.43 1632,875.24 v3(1632,266) ; P2.15@2843.82,963.43 2843.82,1016.82 2886,1059 3184,1059 3243.82,999.18 P2.19@3243.82,963.43 ; v4(2918,3145) 3171,3145 3251,3225 LS1.1@3380.39,3225 ; P2.17@3043.82,963.43 3043.82,1057.18
  other v2: 939,3569 1002,3570 1064,3570 1121,3570 1182,3571 1242,3572 939,3622 1002,3623 1181,3624 1241,3624 1064,3625 1120,3625 939,3673 1002,3673 1063,3673 1120,3673 1180,3673 1241,3673 1120,3721 1179,3721 1240,3721 939,3722 1002,3722 1062,3722 1002,3770 1062,3770 1119,3770 1178,3770 1240,3770 939,3771 939,3823 1001,3824 1062,3824 1119,3825 1177,3825 1239,3826
+12V: D1.1 P1.2 P8.1 P9.1 | length 907.5
  Top Layer w60: P8.1@275.67,3307.6 645.67,3307.6 720.71,3382.64 D1.1@720.71,3485 720.71,3534.29 576.69,3678.31 P1.2@576.69,3754.33
+12V_IN: C5.1 C6.2 D2.2 D3.2 F1.2 F2.1 P3.1 P13.3 P13.4 P14.6 Q2.2 R16.2 U2.1 U4.3 | length 9182
  Top Layer w25: 1561.4,556 Q2.2@1561.4,657.63
  Top Layer w60: P14.6@220,704 220,622 286,556 1304,556 ; U4.3@1205,3309.84 1244.84,3309.84 1380.08,3445.08 1435.63,3445.08 C5.1@1435.63,3780 ; R16.2@1308.63,646 1308.63,560.63 1304,556 ; D3.2@1440,3440.71 1582.13,3440.71 D2.2@1590,3448.58 1606.42,3465 F2.1@1699.06,3465 ; P3.1@2696,590 2695,591 P13.4@2344,591 P13.3@2244,591 2244,543 2188,487 1682,487 1613,556 1561.4,556 1304,556
  Bottom Layer w60: P14.6@220,704 157,704 104,757 104,3584 330,3810 F1.2@396.85,3810 487.48,3719.37 487.48,3507.52 584,3411 774,3411 850,3335 995,3335 ; U2.1@995.76,3029 995.76,3334.24 995,3335 ; C5.1@1435.63,3780 1435.63,3420.63 1350,3335 995,3335
ADMIN: B1.1 B1.3 C28.2 P16.1 R25.1 U3.49 | length 5295.3
  Top Layer w12: C28.2@537.4,1265 599,1265 641,1223 B1.3@730,1223 B1.1@980,1223 ; R25.1@539.37,1365 539.37,1266.97 C28.2@547.4,1275 ; v1(688,1764) v1(1008,1764) ; v1(1174,3089) 1513,3089 1560,3042 v1(2255,3042) ; U3.49@2176.22,2405.87 v1(2176.22,2504)
  Bottom Layer w12: P16.1@220,2025 612,2025 688,1949 v1(688,1764) 688,1389 730,1347 B1.3@730,1223 ; v1(1008,1764) 1009,1765 1009,1997 1082,2070 1082,2799 1174,2891 v1(1174,3089) ; v1(2176.22,2504) 2176.22,2536.11 2255,2614.89 v1(2255,3042)
AGND: C5.2 C6.1 C7.2 C8.1 D2.1 D5.2 J1.5 J1.10 J1.11 P1.1 P2.1 P2.20 P3.2 P5.1 P8.2 P9.2 P10.3 P11.4 P12.4 P13.1 P13.2 P14.5 Q1.2 Q3.2 Q5.2 Q6.2 R3.1 U2.2 U4.1 | length 16127.6
  Top Layer w20: Q3.2@2710.4,1167.63 2710.4,1234.4 v1(2724,1248) ; P2.20@3343.82,963.43 3379.4,999.01 Q5.2@3379.4,1167.63 3379.4,1235.4 v1(3392,1248)
  Top Layer w25: Q1.2@1207.4,662.63 v1(1240.63,662.63) ; v1(1242,963) 1443.39,963 P2.1@1443.82,963.43 ; v1(3324.6,3517.6) Q6.2@3565.63,3517.6
  Top Layer w40: 107,798 109,800 P10.3@500,800 ; P12.4@1774.78,175 1774.78,80.22 1775,80
  Top Layer w60: 108,2275 P11.4@220,2275 ; P1.1@732.6,3754.33 764.67,3754.33 828.5,3690.5 828.5,3311 ; J1.5@1001.11,386.92 1072.03,316 1259.91,316 J1.10@1274.93,331.02 ; U4.1@1005,3309.84 829.66,3309.84 828.5,3311 ; D2.1@1590,3271.42 1654.58,3271.42 1676,3250 D5.2@1737.6,3250 ; C8.1@1637.6,3585 C6.1@1512.4,3585 1514.37,3586.97 C5.2@1514.37,3780 C7.2@1655.63,3780 ; R3.1@1810.63,3585 v5(1810.63,3688.63) ; P13.1@2044,591 P13.2@2144,591 2144,657 2191,704 3256,704 3343.82,791.82 P2.20@3343.82,963.43 ; P5.1@2275,137 2144,137 2087,80 1775,80 542.09,80 J1.11@291.07,331.02 107,515.09 107,798 107,2993.02 P8.2@265.67,3151.69 P9.2@682.67,3151.69 775.69,3151.69 828.5,3204.5 828.5,3311 ; P3.2@2796,590 2796,699
  Bottom Layer w20: J1.10@1240.63,365.31 J1.10@1274.93,331.02 ; v1(2724,1248) v1(3392,1248)
  Bottom Layer w25: J1.10@1240.63,365.31 v1(1240.63,662.63) 1240.63,961.63 v1(1242,963) ; v5(1810.63,3688.63) 1810.63,3808.63 1874.5,3872.5 2636.5,3872.5 2852,3657 3185.2,3657 v1(3324.6,3517.6)
  Bottom Layer w40: J1.10@1274.93,331.02 1430.94,175 P12.4@1774.78,175
  Bottom Layer w60: v5(1322,3245) v5@1323,3245 ; U2.2@1483.94,3029 1483.94,3083.06 1322.5,3244.5 v5@1323,3245 ; C7.2@1655.63,3780 1655.63,3714.37 ; v5@1804,3692 1678,3692 1655.63,3714.37 ; P13.2@2144,591 2144,191 2198,137 P5.1@2275,137 ; v5@1323,3245 1540,3245 1655.63,3360.63 1655.63,3714.37
  other v2: 1053,3210
BKGD: P4.1 U3.56 | length 849.3
  Top Layer w12: P4.1@1528,2729 v1(1655,2729) ; U3.56@1955.75,2405.87 1955.75,2341.25 v1(1956,2341)
  Bottom Layer w12: v1(1655,2729) 1655,2395 1709,2341 v1(1956,2341)
BUZZER: R37.1 U3.50 | length 2206.5
  Top Layer w12: U3.50@2144.72,2405.87 v1(2144.72,2484) ; v1(2224,2981) 2266,2981 2298,3013 v1(2736,3013) ; v1(2810,3615) R37.1@3250.63,3615
  Bottom Layer w12: v1(2144.72,2484) 2144.72,2535.72 2219,2610 2219,2612 2224,2617 v1(2224,2981) ; v1(2736,3013) 2736,3535.69 2810,3609.69 v1(2810,3615)
CLK_INT: R2.1 U1.7 U3.47 | length 1542.7
  Top Layer w12: U3.47@2260.87,2289.72 v1(2578.72,2289.72) ; v1(2578.72,2740.28) 2739.72,2740.28 v1(2760,2720) 2760,2645.63 R2.1@2759.37,2645 ; U1.7@3080.39,2595 v1(3149,2595)
  Bottom Layer w12: v1(2578.72,2289.72) v1(2578.72,2740.28) ; v1(2760,2720) 2796,2720 2921,2595 v1(3149,2595)
COIN: P5.2 R18.1 U3.34 | length 2813.4
  Top Layer w12: R18.1@1734.37,749 v1(1888,749) v1(2094,749) ; v1(1906,1881) 2260.14,1881 U3.34@2260.87,1880.28 ; v1(2047,260) v1(2374,260)
  Bottom Layer w12: v1(1888,749) 1891.31,752.32 1891.31,986.41 1891,986.73 1906,1001.73 v1(1906,1881) ; v1(2047,260) 2047,437 2094,484 v1(2094,749) ; v1(2374,260) 2374,138 P5.2@2375,137
COIN_EN: R13.1 U3.10 | length 1899
  Top Layer w12: R13.1@955.63,767 955.63,823.63 968,836 1192,836 v1(1193,837) ; v1(1239.76,2037.76) U3.10@1619.13,2037.76
  Bottom Layer w12: v1(1193,837) 1193,1290 1239.76,1336.76 v1(1239.76,2037.76)
DB0: P2.7 U3.26 | length 824.7
  Top Layer w12: v1(1987,1701) 1987.24,1701.24 U3.26@1987.24,1764.13
  Bottom Layer w12: v1(1987,1701) 1987,1148 2006,1129 2006.6,1129 2043.82,1091.78 P2.7@2043.82,963.43
DB1: P2.8 U3.27 | length 852.5
  Top Layer w12: U3.27@2018.74,1764.13 2018.74,1676.26 v1(2019,1676)
  Bottom Layer w12: v1(2019,1676) 2019,1150 2143.82,1025.18 P2.8@2143.82,963.43
DB2: P2.9 U3.28 | length 880.9
  Top Layer w12: v1(2050.24,1700.24) U3.28@2050.24,1764.13
  Bottom Layer w12: v1(2050.24,1700.24) 2050.24,1157.01 P2.9@2243.82,963.43
DB3: P2.10 U3.29 | length 945.7
  Top Layer w12: v1(2081.73,1675) U3.29@2081.73,1764.13
  Bottom Layer w12: v1(2081.73,1675) 2081.73,1163.27 2230,1015 2292.24,1015 P2.10@2343.82,963.43
DB4: P2.11 U3.30 | length 1040.7
  Top Layer w12: v1(2113.23,1699) U3.30@2113.23,1764.13
  Bottom Layer w12: v1(2113.23,1699) 2113.23,1169.77 2246,1037 2422,1037 2443.82,1015.18 P2.11@2443.82,963.43
DB5: P2.12 U3.31 | length 1100.7
  Top Layer w12: v1(2144.72,1673) U3.31@2144.72,1764.13
  Bottom Layer w12: v1(2144.72,1673) 2144.72,1173.28 2259,1059 2489,1059 2543.82,1004.18 P2.12@2543.82,963.43
DB6: P2.13 U3.32 | length 1173
  Top Layer w12: v1(2176.22,1696.22) U3.32@2176.22,1764.13
  Bottom Layer w12: v1(2176.22,1696.22) 2176.22,1172.89 2268.11,1081 2573,1081 2643.82,1010.18 P2.13@2643.82,963.43
DB7: P2.14 U3.33 | length 1340.1
  Top Layer w12: v1(2208,1673) 2208,1749 2260.87,1801.87 U3.33@2260.87,1848.78
  Bottom Layer w12: v1(2208,1673) 2208,1183 2284,1107 2644,1107 2743.82,1007.18 P2.14@2743.82,963.43
FLASH_MISO: D15.2 U17.2 | length 1472.9
  Top Layer w12: D15.2@3139.93,3145 3290,3145 v1(3564,3145) ; v1(3563,2174) U17.2@3639.83,2174
  Bottom Layer w12: v1(3563,2174) v1@3563,3146
FLASH_MOSI: U15.15 U17.5 | length 497.3
  Top Layer w12: U17.5@3368.17,2274 3456,2274 3483,2301 3483,2449 3510,2476 U15.15@3695.1,2476
FLASH_SPSCK: U15.14 U17.6 | length 486.2
  Top Layer w12: U17.6@3368.17,2224 3453,2224 3506,2277 3506,2406 3526,2426 U15.14@3695.1,2426
FLASH_SS: R40.1 U15.16 U17.1 | length 1889.6
  Top Layer w12: R40.1@3104.37,3354 v1(3564,3354) ; v1(3562,2124) U17.1@3639.83,2124 ; v1(3621,2526) U15.16@3695.1,2526
  Bottom Layer w12: v1(3562,2124) 3621,2183 v1(3621,2526) 3621,3297 v1(3564,3354)